# Altium PCB EVK-NORA-W1.PcbDoc (part 1 of 4)
Units mil, origin at the board's own origin, x right, y up, seen from the top; angles counter-clockwise.
Board outline 4300 x 2200 mil, 4 copper layers (L1, L2, L3, L4), stack 60.631 mil thick; 303 components, 180 nets, 998 pads, 676 vias.
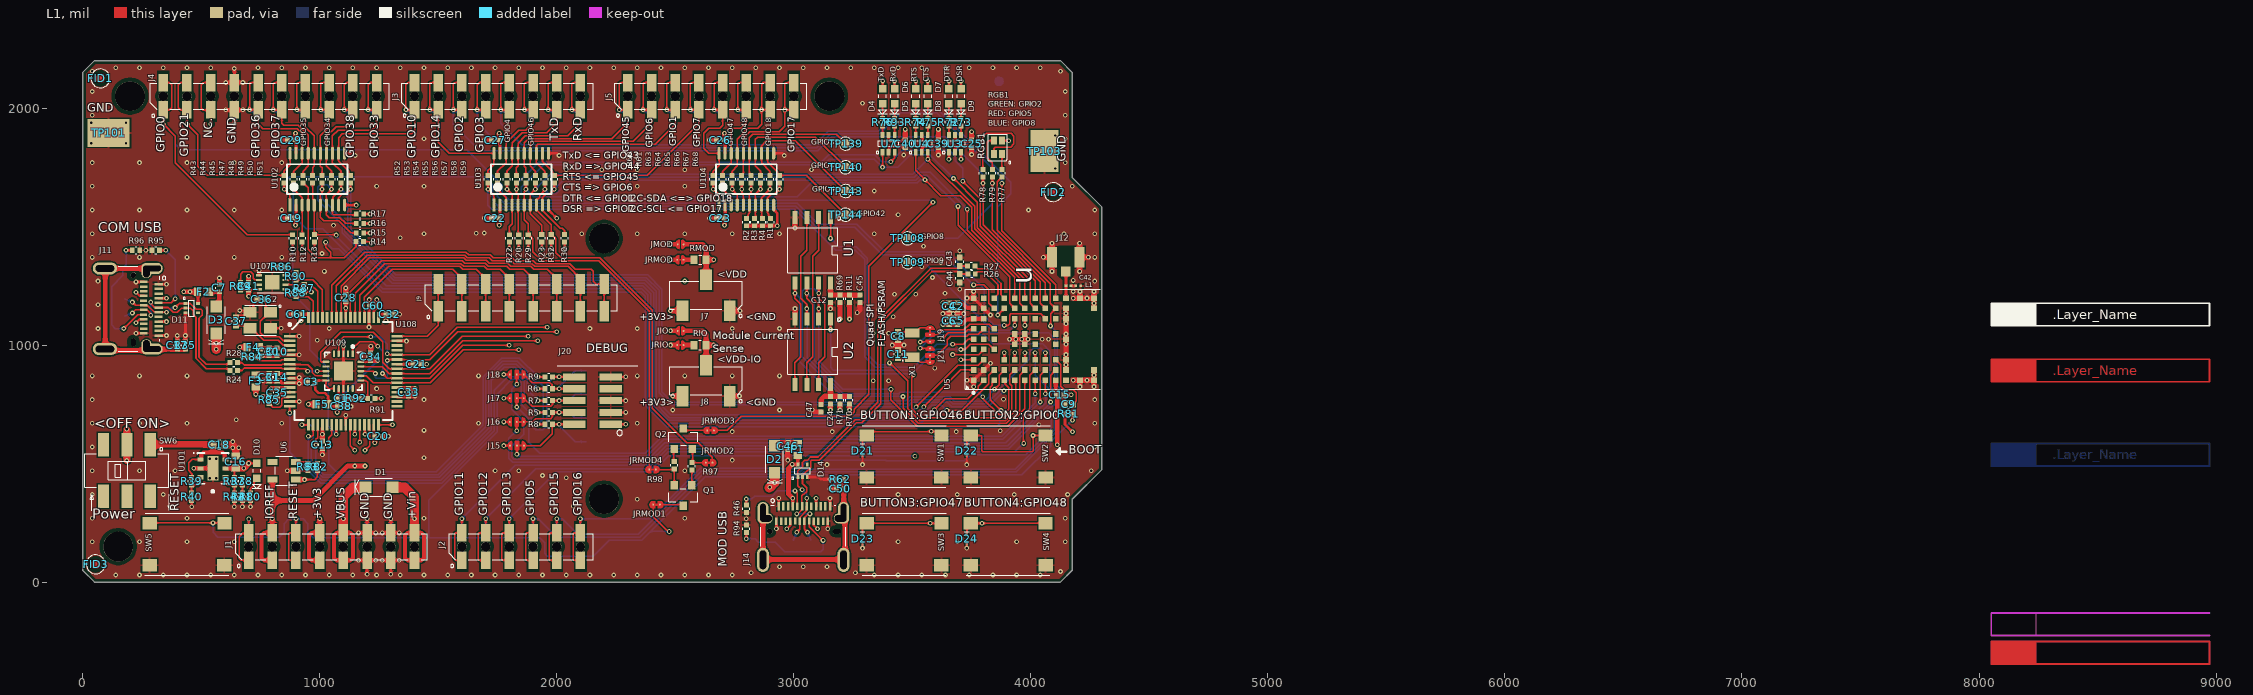
[diagram p0: L1 view]
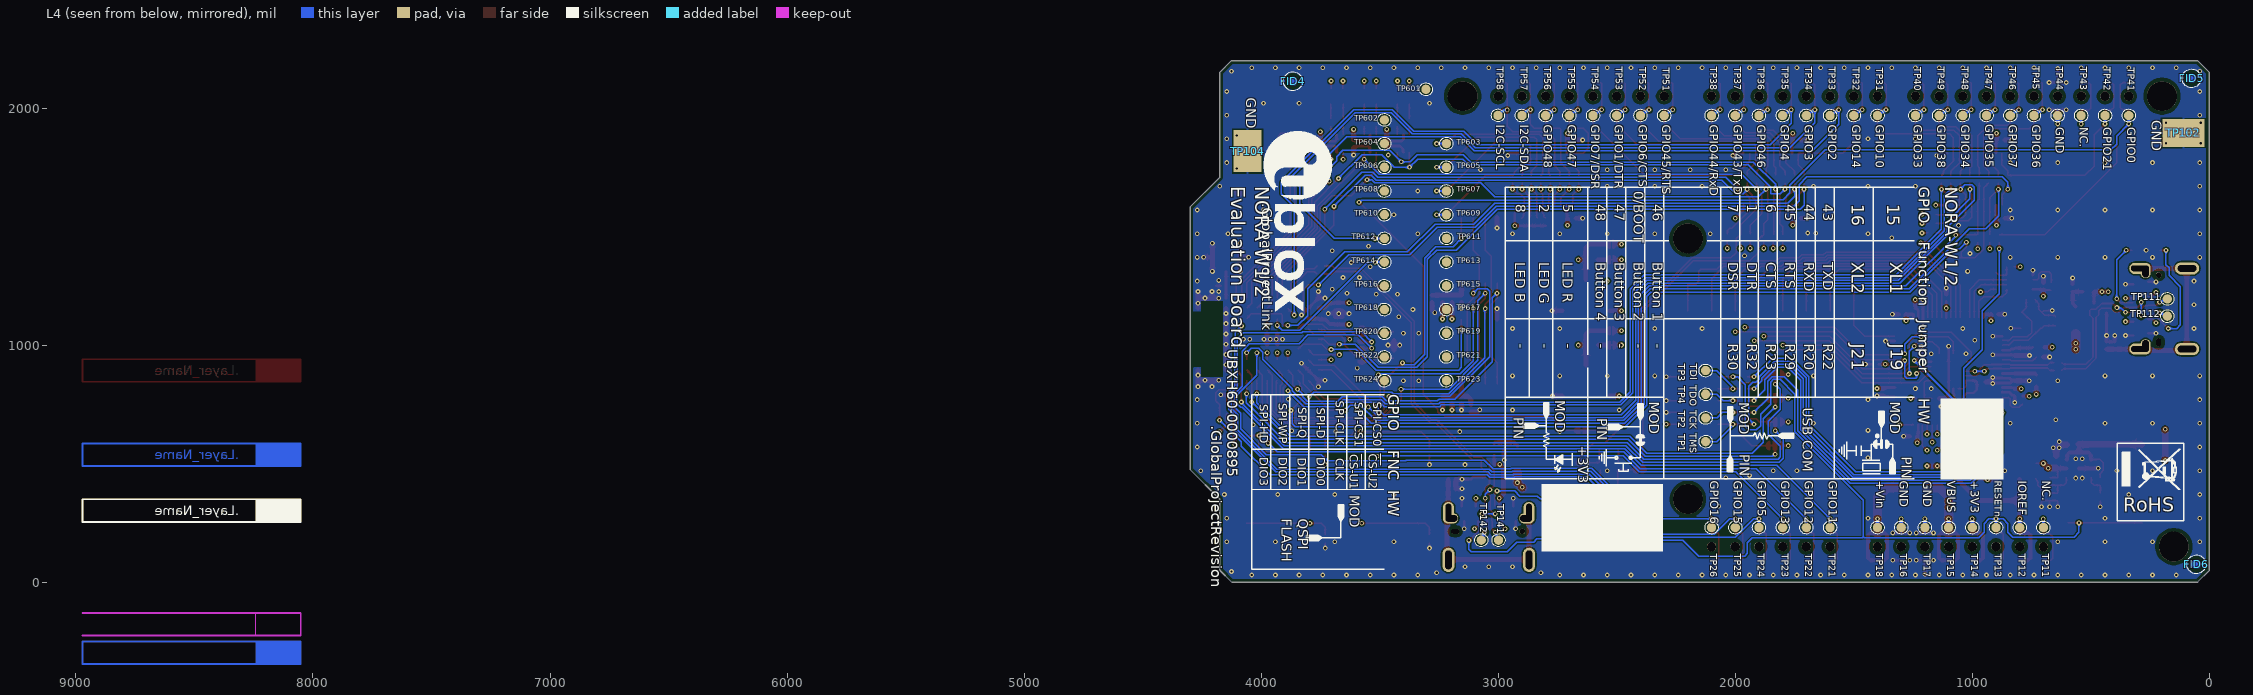
[diagram p1: L4 view, seen from below]
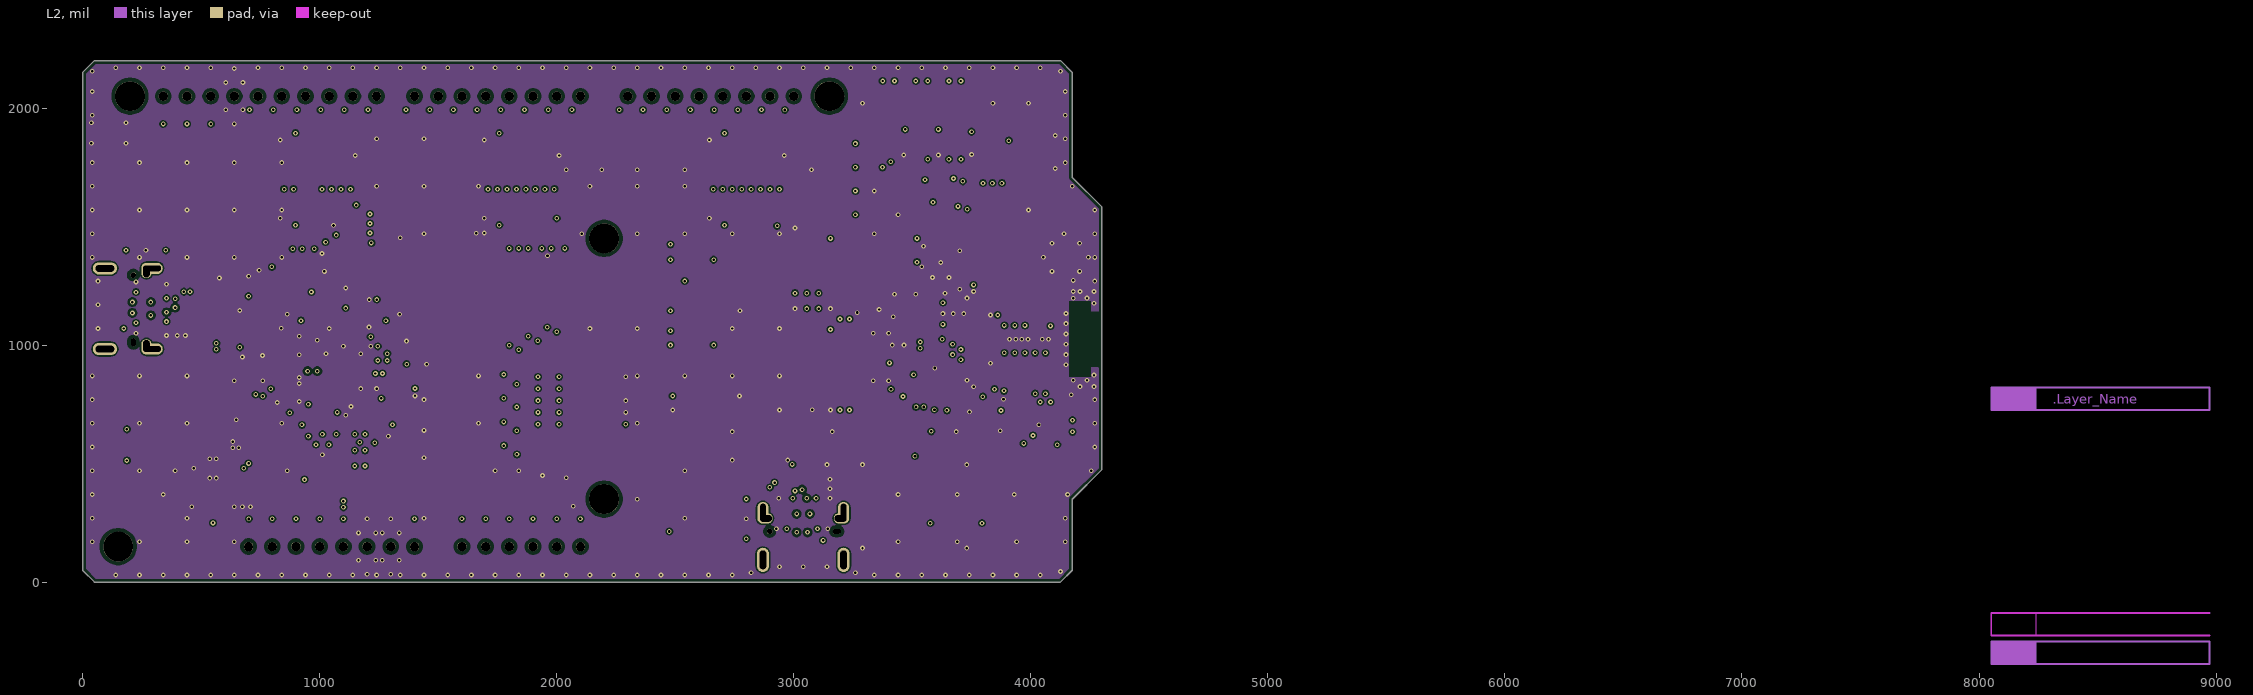
[diagram p2: L2]
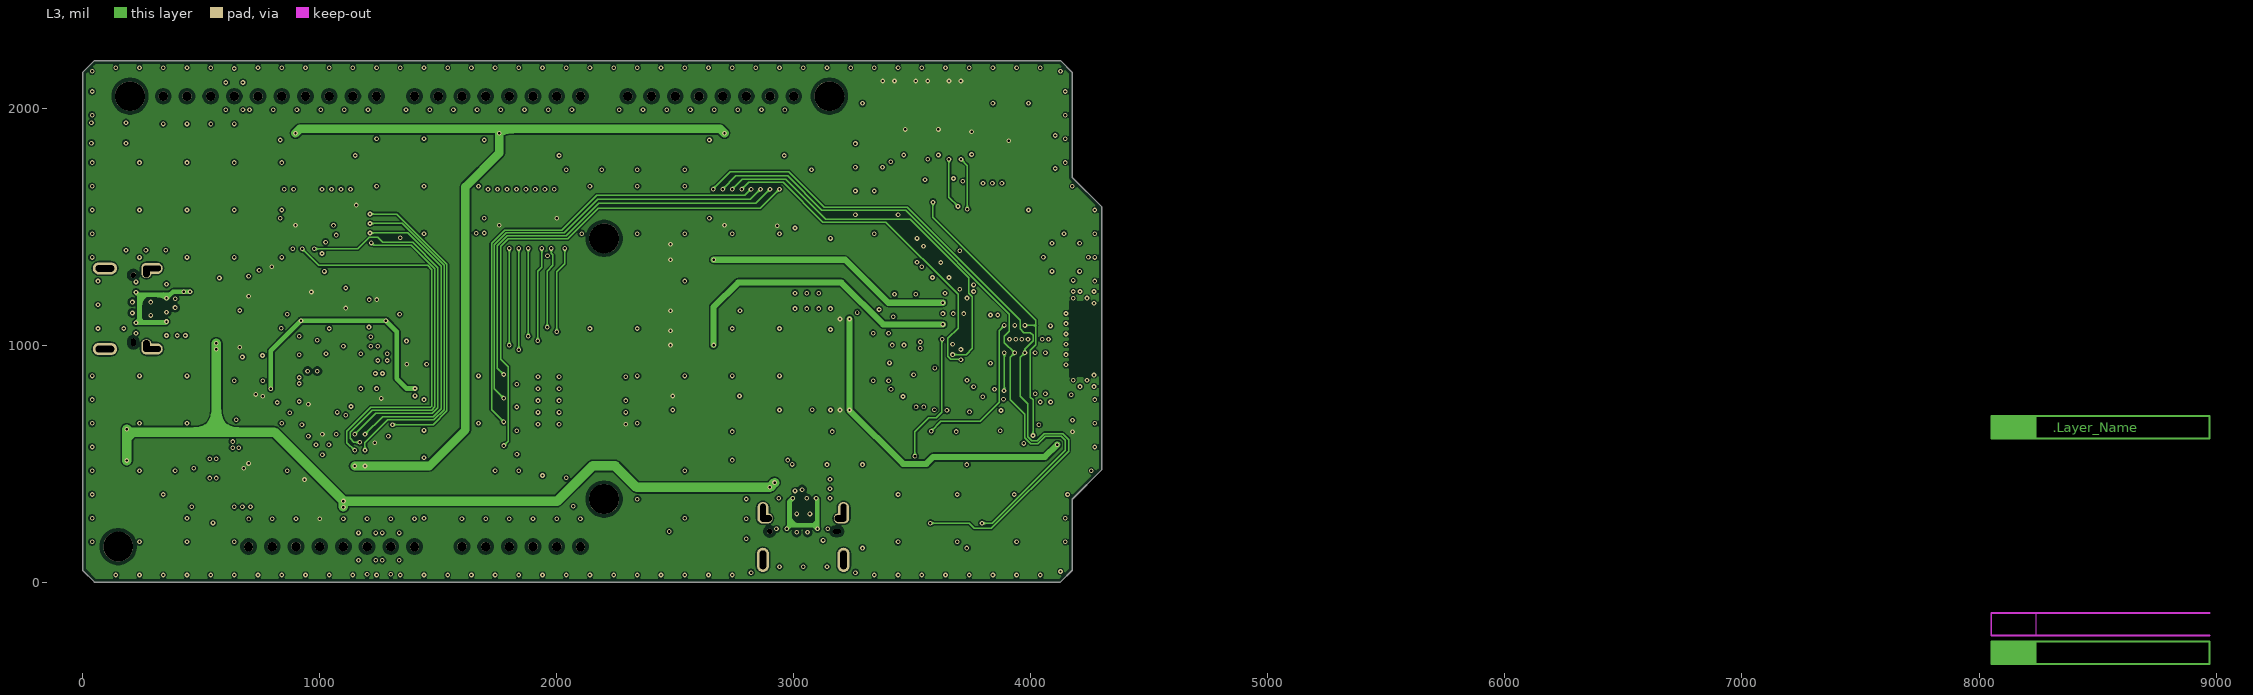
[diagram p3: L3]

## Layer stack, top to bottom
Top Solder: solder mask 0.787, Solder Resist, Dk 3.5
L1: signal copper 1.378
Dielectric 1: prepreg 5.906, Composite dielectric, Dk 3.8
L2: signal copper 1.378
Core: core 43.307, Composite dielectric, Dk 4.3
L3: signal copper 1.378
Dielectric 3: prepreg 5.906, Composite dielectric, Dk 3.8
L4: signal copper 1.378
Bottom Solder: solder mask 0.787, Solder Resist, Dk 3.5

## Board outline
0,50 0,950 0,1360 0,2150 50,2200 4125,2200 4175,2150 4175,1707 4300,1582 4300,475 4175,350 4175,50 4125,0 3246.06,0 50,0

## Design rules (kind name [scope] priority, off if disabled: settings)
BoardOutlineClearance [All] p1: gap=14 ignorepadtopadclearanceinfootprint=FALSE
Clearance [(InDifferentialPairClass('All Differential Pairs')) vs IsRegion] p1: gap=9.84 ignorepadtopadclearanceinfootprint=FALSE
Clearance Clearance_1 [InPolygon vs (InDifferentialPairClass('All Differential Pairs'))] p2: gap=11.81 ignorepadtopadclearanceinfootprint=FALSE
Clearance Clearance_Poly_1 [InPolygon vs (OnLayer('Keep-Out Layer')) OR (OnLayer('Multi-Layer') AND IsPad  AND Not(PadIsPlated))] p3: gap=5.91 ignorepadtopadclearanceinfootprint=FALSE except(0: Arc-Text Arc-Hole Track-Text Track-Hole SMDPad-Text SMDPad-Hole THPad-Text THPad-Hole Via-Text Via-Hole Fill-Text Fill-Hole Poly-Text Poly-Hole Region-Text Region-Hole Text-Text Text-Hole; 14.76: Arc-Poly Arc-Region Track-Poly Track-Region SMDPad-Poly SMDPad-Region THPad-Poly THPad-Region Via-Poly Via-Region Fill-Poly Fill-Region Poly-Poly Poly-Region Region-Region)
Clearance Clearance_2 [InNetClass('All Nets')] p4: gap=5.91 ignorepadtopadclearanceinfootprint=FALSE except(0: Arc-Text Arc-Hole Track-Text Track-Hole SMDPad-Text SMDPad-Hole THPad-Text THPad-Hole Via-Text Via-Hole Fill-Text Fill-Hole Poly-Text Poly-Hole Region-Text Region-Hole Text-Text Text-Hole)
ComponentClearance [All] p1: gap=5 collisioncheckmode=3 verticalgap=10 showdistances=FALSE
DiffPairsRouting [InDifferentialPairClass('All Differential Pairs')] p1: maxlimit=10 minlimit=5 mostfreqgap=6 toplayer_mingap=6 toplayer_minwidth=6 toplayer_maxwidth=8 toplayer_prefwidth=7 midlayer1_prefgap=5 midlayer1_minwidth=2.73 midlayer1_maxwidth=8 midlayer1_prefwidth=3.73 midlayer14_prefgap=5 midlayer14_minwidth=2.73 midlayer14_maxwidth=8 midlayer14_prefwidth=3.73 bottomlayer_mingap=6 bottomlayer_minwidth=6 bottomlayer_maxwidth=8 bottomlayer_prefwidth=7 impedanceprofiledriven=TRUE impedanceprofileid={B1A41FC7-E0A9-46D4-BE95-24A9F10C0ADD} impedanceprofilevalue=90.000000 maxuncoupledlength=500
Height [All] p1: minheight=0 maxheight=1000 prefheight=100
HoleSize [All] p1: absolutevalues=TRUE maxlimit=100000 minlimit=7.87 maxpercent=80.000 minpercent=20.000
HoleToHoleClearance [All] p1: gap=6 allowstackedmicrovias=TRUE
MinimumSolderMaskSliver [All] p1: minsoldermaskwidth=3
NetAntennae [NOT (HasFootprint('Solderbridge-Option') OR HasFootprint('Solderbridge-Short'))] p1: netantennaetolerance=0
PlaneClearance [InPoly] p1: clearance=8
PlaneConnect [All] p1 off: planeconnectstyle=Relief reliefexpansion=20 reliefentries=4 reliefconductorwidth=8 reliefairgap=6
PolygonConnect ThermalVias [IsVia] p1: connectstyle=Direct reliefconductorwidth=10 reliefentries=4 polygonreliefangle="90 Angle" airgapwidth=10
PolygonConnect "PolygonConnect - Power" [InNet('GND')] p2: connectstyle=Relief reliefconductorwidth=10 reliefentries=4 polygonreliefangle="90 Angle" airgapwidth=6
PolygonConnect PolygonConnect-BGA [InComponentClass('')] p3: connectstyle=Relief reliefconductorwidth=6 reliefentries=4 polygonreliefangle="45 Angle" airgapwidth=6
PolygonConnect PolygonConnect-General [All] p4: connectstyle=Relief reliefconductorwidth=6 reliefentries=4 polygonreliefangle="90 Angle" airgapwidth=6
RoutingVias [All] p1: holewidth=10 width=20 viastyle="Through Hole" minholewidth=7.87 minwidth=18 maxholewidth=12 maxwidth=24
SMDEntry [All] p1: side=TRUE corner=TRUE anyangle=TRUE
SilkToBoardRegionClearance [All] p1 off:
SilkToSilkClearance [All] p1 off: silktosilkclearance=1
SilkToSolderMaskClearance [IsPad] p1 off: minsilkscreentomaskgap=0 clearancetoexposedcopper=TRUE
SolderMaskExpansion SolderMaskExpansion_via [IsVia] p1: expansion=-10 istentingtop=FALSE
SolderMaskExpansion [All] p2: expansion=1.97 istentingtop=FALSE
UnRoutedNet [All] p1: checkbadconnections=TRUE
Width [All] p1: maxlimit=200 minlimit=5.91 preferedwidth=5.91 toplayer_maxwidth=100 midlayer1_maxwidth=100 midlayer14_maxwidth=100 minimp=50.000000 maximp=50.000000 favimp=50.000000
17 further rules are at their usual default settings.

## Classes and differential pairs
net class 50_ohm_se: NetC42_1
component class EVK-NORA-W1_SCHEM_0000_Topsheet: FID1 FID2 FID3 FID4 FID5 FID6
component class EVK-NORA-W1_SCHEM_0003_Shield_Conn: C9 D10 D22 J1 J2 J3 J4 J5 JRMOD1 JRMOD2 JRMOD3 JRMOD4 Q1 Q2 R77 R78 R79 R80 R81 R82 R83 R97 R98 RGB1 SW2 SW5 TP11 TP12 TP13 TP21 TP22 TP23 TP24 TP25 TP26 TP33 TP34 TP35 TP41 TP43 TP108 TP109 TP601 TP602 TP603 TP604 TP605 TP606 TP607 TP608 TP609 TP610 TP611 TP612 TP613 TP614 TP615 TP616 TP617 TP618 TP619 TP620 TP621 TP622 TP623 TP624 U6
component class EVK-NORA-W1_SCHEM_0001_NORA_W1_Module: C2 C4 C5 C6 C8 C11 C12 C15 C24 C42 C43 C44 C45 C47 J12 J15 J16 J17 J18 J19 J20 J21 L1 R1 R2 R3 R4 R5 R6 R7 R8 R9 R10 R11 R12 R13 R14 R15 R16 R17 R20 R22 R23 R26 R27 R29 R30 R32 R69 R70 R71 TDI TP1 TP2 TP3 TP4 TP16 TP17 TP44 U1 U2 U5 X1
net class USB_DIFF: MODUSB-D_n MODUSB-D_p RMODUSB-D_n RMODUSB-D_p RUSB-D_n RUSB-D_p USB-D_n USB-D_p
component class EVK-NORA-W1_SCHEM_0002_Power: Bat1 C7 C16 C17 C18 C46 C50 D1 D2 D3 D11 D14 F1 F2 J7 J8 J11 J14 J303 JIO JMOD JRIO JRMOD JVBAT R35 R37 R38 R39 R40 R41 R42 R46 R62 R94 R95 R96 RIO RMOD SW6 TP14 TP15 TP18 TP101 TP102 TP103 TP104 TP111 TP112 TP141 TP142 U101
component class EVK-NORA-W1_SCHEM_0004_Interface_FTDI: C1 C3 C10 C13 C14 C20 C21 C28 C30 C31 C32 C33 C34 C35 C36 C37 C38 C41 C60 C61 F3 F4 F5 J9 R24 R28 R84 R85 R86 R87 R88 R89 R90 R91 R92 U107 U108 U109 X2
component class EVK-NORA-W1_SCHEM_0005_Interface_Isolation: C19 C22 C23 C25 C26 C27 C29 C39 C40 D4 D5 D6 D7 D8 D9 D21 D23 D24 J02 J03 R43 R44 R45 R47 R48 R49 R50 R51 R52 R53 R54 R55 R56 R57 R58 R59 R60 R61 R63 R64 R65 R66 R67 R68 R72 R73 R74 R75 R76 R93 SW1 SW3 SW4 TP31 TP32 TP36 TP37 TP38 TP40 TP42 TP45 TP46 TP47 TP48 TP49 TP51 TP52 TP53 TP54 TP55 TP56 TP57 TP58 TP139 TP140 TP143 TP144 U3 U4 U7 U102 U103 U104
differential pair RMODUSB-D: +RMODUSB-D_p -RMODUSB-D_n
differential pair USB-D: +USB-D_p -USB-D_n
differential pair RUSB-D: +RUSB-D_p -RUSB-D_n
differential pair MODUSB-D: +MODUSB-D_p -MODUSB-D_n

## Components (designator, comment, footprint, x,y, rotation, side; value= is the part's Value field where it differs from the comment)
C1 "120-000160.1uF" "Cap 0402 HD" 1090,775 r0 top value=0.1uF
C2 "120-000160.1uF" "Cap 0402 HD" 3690,1163 r270 top value=0.1uF
C3 "120-000160.1uF" "Cap 0402 HD" 965,845 r180 top value=0.1uF
C4 "UBXH01-00002434U7" "Cap 0402 HD" 3656,1163 r270 top value=4U7
C5 "120-000160.1uF" "Cap 0402 HD" 3690,1103 r90 top value=0.1uF
C6 "UBXH01-00002434U7" "Cap 0402 HD" 3656,1103 r90 top value=4U7
C7 "120-000160.1uF" "Cap 0402 HD" 577,1241 r270 top value=0.1uF
C8 "UBXH01-000401718P" "Cap 0402" 3440,1038 r270 top value=18P
C9 "UBXH01-002302510N" "Cap 0402" 4160,750 r180 top value=10N
C10 "120-000160.1uF" "Cap 0402 HD" 820,972 r270 top value=0.1uF
C11 "UBXH01-000401718P" "Cap 0402" 3440,962 r90 top value=18P
C12 "120-000160.1uF" "Cap 0402 HD" 3155,1196 r270 top value=0.1uF
C13 "120-000160.1uF" "Cap 0402 HD" 1011.42,580 r270 top value=0.1uF
C14 "120-000160.1uF" "Cap 0402 HD" 821,865 r270 top value=0.1uF
C15 "120-000160.1uF" "Cap 0402 HD" 4123,790 r0 top value=0.1uF
C16 "UBXH01-000031010U" "Cap 0603 HD" 646,507 r90 top value=10U
C17 "120-000160.1uF" "Cap 0402 HD" 399.43,998.34 r270 top value=0.1uF
C18 "UBXH01-000031010U" "Cap 0603 HD" 576,580 r0 top value=10U
C19 "120-000160.1uF" "Cap 0402 HD" 880,1535 r180 top value=0.1uF
C20 "120-000160.1uF" "Cap 0402 HD" 1248,615 r0 top value=0.1uF
C21 "120-000160.1uF" "Cap 0402 HD" 1409,919.53 r0 top value=0.1uF
C22 "120-000160.1uF" "Cap 0402 HD" 1740,1535 r180 top value=0.1uF
C23 "120-000160.1uF" "Cap 0402 HD" 2690,1535 r180 top value=0.1uF
C24 "120-000160.1uF" "Cap 0402 HD" 3155,768 r270 top value=0.1uF
C25 "120-000160.1uF" "Cap 0402 HD" 3750,1850 r270 top value=0.1uF
C26 "120-000160.1uF" "Cap 0402 HD" 2690,1865 r180 top value=0.1uF
C27 "120-000160.1uF" "Cap 0402 HD" 1740,1865 r180 top value=0.1uF
C28 "120-000160.1uF" "Cap 0402 HD" 1110,1199 r90 top value=0.1uF
C29 "120-000160.1uF" "Cap 0402 HD" 880,1865 r180 top value=0.1uF
C30 "UBXH01-00002434U7" "Cap 0402 HD" 786,972 r270 top value=4U7
C31 "UBXH01-00002434U7" "Cap 0402 HD" 787,865 r270 top value=4U7
C32 "UBXH01-00002434U7" "Cap 0402 HD" 1295,1130 r0 top value=4U7
C33 "120-000160.1uF" "Cap 0402 HD" 1375,801.42 r270 top value=0.1uF
C34 "120-000160.1uF" "Cap 0402 HD" 1215,951 r90 top value=0.1uF
C35 "120-000160.1uF" "Cap 0402 HD" 821,800 r270 top value=0.1uF
C36 "UBXH01-000401718P" "Cap 0402" 755,1193 r180 top value=18P
C37 "UBXH01-000401718P" "Cap 0402" 647,1100 r90 top value=18P
C38 "UBXH01-00002434U7" "Cap 0402 HD" 1090,741 r0 top value=4U7
C39 "120-000160.1uF" "Cap 0402 HD" 3610,1850 r270 top value=0.1uF
C40 "120-000160.1uF" "Cap 0402 HD" 3470,1850 r270 top value=0.1uF
C41 "120-000160.1uF" "Cap 0402 HD" 700,1248 r90 top value=0.1uF
C42 "UBXH01-00120021P5" "Cap 0201 HD" 4159.06,1250 r0 top value=1P5
C43 "UBXH01-00040115P6" "Cap 0402" 3700,1351.72 r90 top value=5P6
C44 "UBXH01-00040115P6" "Cap 0402" 3700,1282.28 r270 top value=5P6
C45 "UBXH01-00002434U7" "Cap 0402 HD" 3279,1195 r270 top value=4U7
C46 "120-000160.1uF" "Cap 0402 HD" 2975,574 r90 top value=0.1uF
C47 "UBXH01-00002434U7" "Cap 0402 HD" 3115,734 r270 top value=4U7
C50 "120-000160.1uF" "Cap 0402 HD" 3195.01,394 r0 top value=0.1uF
C60 "120-000160.1uF" "Cap 0402 HD" 1225,1165 r180 top value=0.1uF
C61 "120-000160.1uF" "Cap 0402 HD" 905,1130 r180 top value=0.1uF
D1 "110-00005" SOD-123F_U 1250,400 r0 top
D2 "110-00005" SOD-123F_U 2919,518 r90 top
D3 "110-00005" SOD-123F_U 564,1106 r90 top
D4 "UBXH11-0000018" LED-0603 3374.41,2050 r90 top value=GREEN
D5 "UBXH11-0000018" LED-0603 3425.59,2050 r90 top value=GREEN
D6 "UBXH11-0000018" LED-0603 3514.41,2050 r90 top value=GREEN
D7 "UBXH11-0000018" LED-0603 3565.59,2050 r90 top value=GREEN
D8 "UBXH11-0000018" LED-0603 3654.41,2050 r90 top value=GREEN
D9 "UBXH11-0000018" LED-0603 3705.59,2050 r90 top value=GREEN
D10 "UBXH11-0000018" LED-0603 735,470 r90 top value=GREEN
D11 "110-00018" SOT-553 460,1156 r0 top
D14 "110-00018" SOT-553 3037.05,470 r90 top
D21 "110-00019" SOD-923 3290,553.47 r270 top
D22 "110-00019" SOD-923 3730,553.46 r270 top
D23 "110-00019" SOD-923 3290,183.46 r270 top
D24 "110-00019" SOD-923 3730,183.46 r270 top
F1 "UBXH08-0000001" "IND 0603 HD" 3017,560 r90 top value=600OHM
F2 "UBXH08-0000001" "IND 0603 HD" 510,1225 r0 top value=600OHM
F3 "UBXH08-0000001" "IND 0603 HD" 730,849 r90 top value=600OHM
F4 "UBXH08-0000001" "IND 0603 HD" 720,991 r0 top value=600OHM
F5 "UBXH08-0000001" "IND 0603 HD" 1010,750 r0 top value=600OHM
FID1 "FID" FIDUCIAL40 75,2125 r90 top
FID2 "FID" FIDUCIAL40 4094.49,1645.46 r90 top
FID3 "FID" FIDUCIAL40 55,75 r90 top
FID4 "FID" FIDUCIAL40 3866,2113 r90 bottom
FID5 "FID" FIDUCIAL40 75,2125 r90 bottom
FID6 "FID" FIDUCIAL40 55,75 r90 bottom
J1 "130-00102" SKT-0.1P-SSM-108-L-SV#1 1050,150 r0 top locked
J2 "130-00103" SKT-0.1P-SSM-106-L-SV 1850,150 r0 top locked
J3 "130-00102" SKT-0.1P-SSM-108-L-SV#1 1750,2050 r0 top locked
J4 "130-00101" SKT-0.1P-SSM-110-L-SV 790,2050 r0 top locked
J5 "130-00102" SKT-0.1P-SSM-108-L-SV#1 2650,2050 r0 top locked
J7 "130-00105" HDR-0.1P-3Pin-1Row-SMT 2630,1210 r180 top locked
J8 "130-00105" HDR-0.1P-3Pin-1Row-SMT 2630,850 r180 top locked
J9 "130-00102" SKT-0.1P-SSM-108-L-SV#2 1850,1200 r0 top
J11 "130-00150" CON_USB-C-RA_W-6Tabs 214,1153.54 r270 top
J12 "130-00067" U.FL_3Pin 4147.64,1370.08 r0 top
J14 "130-00150" CON_USB-C-RA_W-6Tabs 3040,214 r0 top
J15 "Solderbridge-OptionDNP" Solderbridge-Option 1862,576 r180 top net-tie
J16 "Solderbridge-OptionDNP" Solderbridge-Option 1861,676 r180 top net-tie
J17 "Solderbridge-OptionDNP" Solderbridge-Option 1861,776 r180 top net-tie
J18 "Solderbridge-OptionDNP" Solderbridge-Option 1861,876 r180 top net-tie
J19 "Solderbridge-OptionDNP" Solderbridge-Option 3575,1073 r270 top net-tie
J20 "130-00099" HDR.050P-10Pin-2x5-SMT_Key 2151,766 r90 top
J21 "Solderbridge-OptionDNP" Solderbridge-Option 3575,927 r90 top net-tie
JIO "Solderbridge-OpenDNP" Solderbridge-Open#1 2535,1060 r180 top
JMOD "Solderbridge-OpenDNP" Solderbridge-Open#2 2535,1425 r180 top
JRIO "Solderbridge-ShortDNP" Solderbridge-Short#1 2535,1000 r180 top net-tie